# Altium PCB mach PCB.PcbDoc (part 4 of 6) (continued)
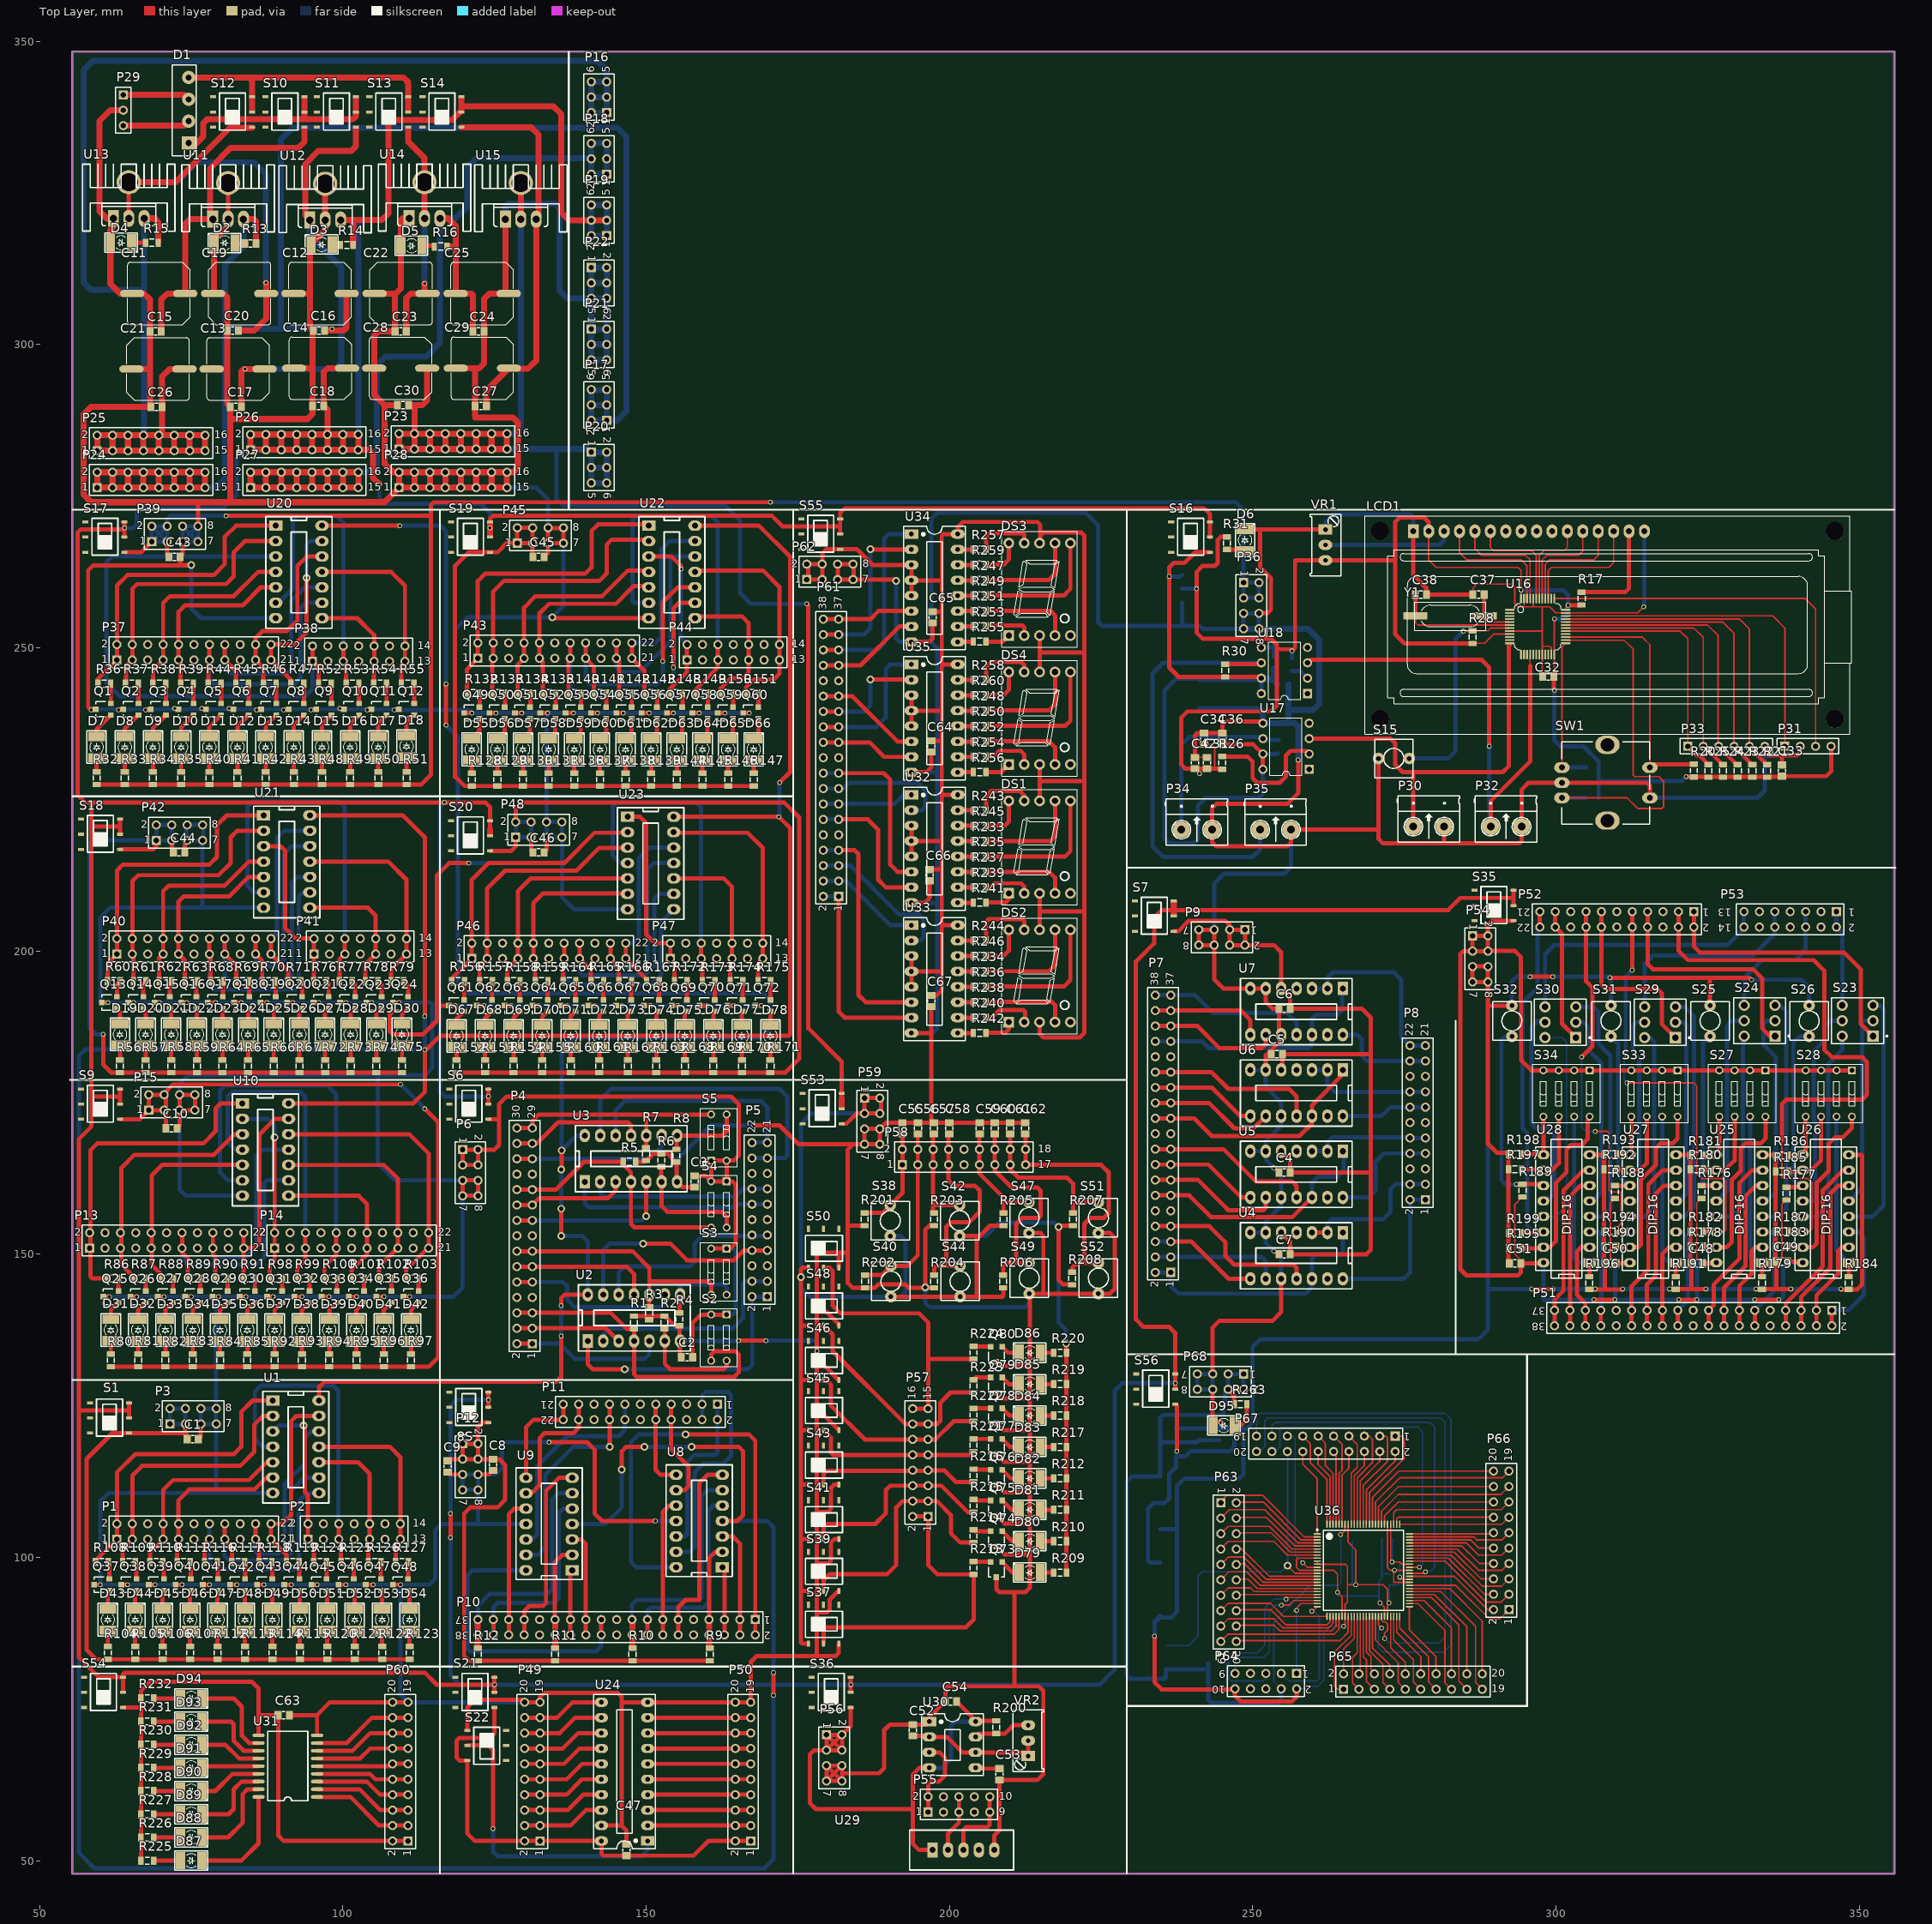
[diagram p0: Top Layer view]
## Nets (pads, with @x,y where several pads share a name; then routed paths per layer and width w, separated by ;. In a path a pad name is that pad's centre, name@x,y a point inside that pad or via, vN(x,y) a via of type N, cw(c..) or ccw(c..) an arc to the next point about the centre after c; other vN are vias at no path point) (continued)
  Top Layer w0.7: D9.2@68.693,235.366 68.693,236.761 Q3.3@70.841,238.909
NetD10_1: D10.1 R35.1 | length 2.3
  Top Layer w0.7: R35.1@73.339,229.55 D10.1@73.339,231.866
NetD10_2: D10.2 Q4.3 | length 4.4
  Top Layer w0.7: D10.2@73.339,235.366 73.339,236.861 Q4.3@75.386,238.909
NetD11_1: D11.1 R40.1 | length 2.3
  Top Layer w0.7: R40.1@77.984,229.55 D11.1@77.984,231.866
NetD11_2: D11.2 Q5.3 | length 4.3
  Top Layer w0.7: D11.2@77.984,235.366 77.984,236.961 Q5.3@79.932,238.909
NetD12_1: D12.1 R41.1 | length 2.3
  Top Layer w0.7: R41.1@82.629,229.55 D12.1@82.629,231.866
NetD12_2: D12.2 Q6.3 | length 4.3
  Top Layer w0.7: D12.2@82.629,235.366 82.629,237.061 Q6.3@84.477,238.909
NetD13_1: D13.1 R42.1 | length 2.3
  Top Layer w0.7: R42.1@87.274,229.55 D13.1@87.274,231.866
NetD13_2: D13.2 Q7.3 | length 4.3
  Top Layer w0.7: D13.2@87.274,235.366 87.274,237.16 Q7.3@89.023,238.909
NetD14_1: D14.1 R43.1 | length 2.3
  Top Layer w0.7: R43.1@91.919,229.55 D14.1@91.919,231.866
NetD14_2: D14.2 Q8.3 | length 4.2
  Top Layer w0.7: D14.2@91.919,235.366 91.919,237.26 Q8.3@93.568,238.909
NetD15_1: D15.1 R48.1 | length 2.3
  Top Layer w0.7: R48.1@96.564,229.55 D15.1@96.564,231.866
NetD15_2: D15.2 Q9.3 | length 4.2
  Top Layer w0.7: D15.2@96.564,235.366 96.564,237.36 Q9.3@98.114,238.909
NetD16_1: D16.1 R49.1 | length 2.3
  Top Layer w0.7: R49.1@101.21,229.55 D16.1@101.21,231.866
NetD16_2: D16.2 Q10.3 | length 4.1
  Top Layer w0.7: D16.2@101.21,235.366 101.21,237.46 Q10.3@102.659,238.909
NetD17_1: D17.1 R50.1 | length 2.3
  Top Layer w0.7: R50.1@105.855,229.55 D17.1@105.855,231.866
NetD17_2: D17.2 Q11.3 | length 4.1
  Top Layer w0.7: D17.2@105.855,235.366 105.855,237.559 Q11.3@107.205,238.909
NetD18_1: D18.1 R51.1 | length 2.5
  Top Layer w0.7: R51.1@110.5,229.55 D18.1@110.5,232
NetD18_2: D18.2 Q12.3 | length 3.9
  Top Layer w0.7: D18.2@110.5,235.5 110.5,237.659 Q12.3@111.75,238.909
NetD19_1: D19.1 R56.1 | length 2.5
  Top Layer w0.7: R56.1@63.25,182.05 D19.1@63.25,184.5
NetD19_2: D19.2 Q13.3 | length 2.8
  Top Layer w0.7: Q13.3@62.75,190.55 63.25,190.05 D19.2@63.25,188
NetD20_1: D20.1 R57.1 | length 2.5
  Top Layer w0.7: R57.1@67.477,182.05 D20.1@67.477,184.5
NetD20_2: D20.2 Q14.3 | length 2.7
  Top Layer w0.7: Q14.3@67.114,190.55 67.477,190.186 D20.2@67.477,188
NetD21_1: D21.1 R58.1 | length 2.5
  Top Layer w0.7: R58.1@71.705,182.05 D21.1@71.705,184.5
NetD21_2: D21.2 Q15.3 | length 2.6
  Top Layer w0.7: Q15.3@71.477,190.55 71.705,190.323 D21.2@71.705,188
NetD22_1: D22.1 R59.1 | length 2.5
  Top Layer w0.7: R59.1@75.932,182.05 D22.1@75.932,184.5
NetD22_2: D22.2 Q16.3 | length 2.6
  Top Layer w0.7: Q16.3@75.841,190.55 75.932,190.459 D22.2@75.932,188
NetD23_1: D23.1 R64.1 | length 2.5
  Top Layer w0.7: R64.1@80.159,182.05 D23.1@80.159,184.5
NetD23_2: D23.2 Q17.3 | length 2.6
  Top Layer w0.7: D23.2@80.159,188 80.159,190.505 Q17.3@80.205,190.55
NetD24_1: D24.1 R65.1 | length 2.5
  Top Layer w0.7: R65.1@84.386,182.05 D24.1@84.386,184.5
NetD24_2: D24.2 Q18.3 | length 2.6
  Top Layer w0.7: D24.2@84.386,188 84.386,190.368 Q18.3@84.568,190.55
NetD25_1: D25.1 R66.1 | length 2.5
  Top Layer w0.7: R66.1@88.614,182.05 D25.1@88.614,184.5
NetD25_2: D25.2 Q19.3 | length 2.7
  Top Layer w0.7: D25.2@88.614,188 88.614,190.232 Q19.3@88.932,190.55
NetD26_1: D26.1 R67.1 | length 2.5
  Top Layer w0.7: R67.1@92.841,182.05 D26.1@92.841,184.5
NetD26_2: D26.2 Q20.3 | length 2.7
  Top Layer w0.7: D26.2@92.841,188 92.841,190.095 Q20.3@93.295,190.55
NetD27_1: D27.1 R72.1 | length 2.5
  Top Layer w0.7: R72.1@97.068,182.05 D27.1@97.068,184.5
NetD27_2: D27.2 Q21.3 | length 2.8
  Top Layer w0.7: D27.2@97.068,188 97.068,189.959 Q21.3@97.659,190.55
NetD28_1: D28.1 R73.1 | length 2.5
  Top Layer w0.7: R73.1@101.295,182.05 D28.1@101.295,184.5
NetD28_2: D28.2 Q22.3 | length 2.9
  Top Layer w0.7: D28.2@101.295,188 101.295,189.823 Q22.3@102.023,190.55
NetD29_1: D29.1 R74.1 | length 2.5
  Top Layer w0.7: R74.1@105.523,182.05 D29.1@105.523,184.5
NetD29_2: D29.2 Q23.3 | length 2.9
  Top Layer w0.7: D29.2@105.523,188 105.523,189.686 Q23.3@106.386,190.55
NetD30_1: D30.1 R75.1 | length 2.5
  Top Layer w0.7: R75.1@109.75,182.05 D30.1@109.75,184.5
NetD30_2: D30.2 Q24.3 | length 3
  Top Layer w0.7: D30.2@109.75,188 109.75,189.55 Q24.3@110.75,190.55
NetD31_1: D31.1 R80.1 | length 2.2
  Top Layer w0.7: R80.1@61.75,133.55 D31.1@61.75,135.75
NetD31_2: D31.2 Q25.3 | length 3.3
  Top Layer w0.7: D31.2@61.75,139.25 61.75,140.8 Q25.3@63,142.05
NetD32_1: D32.1 R81.1 | length 2.2
  Top Layer w0.7: R81.1@66.25,133.55 D32.1@66.25,135.75
NetD32_2: D32.2 Q26.3 | length 3.3
  Top Layer w0.7: D32.2@66.25,139.25 66.25,140.8 Q26.3@67.5,142.05
NetD33_1: D33.1 R82.1 | length 2.2
  Top Layer w0.7: R82.1@70.75,133.55 D33.1@70.75,135.75
NetD33_2: D33.2 Q27.3 | length 3.3
  Top Layer w0.7: D33.2@70.75,139.25 70.75,140.8 Q27.3@72,142.05
NetD34_1: D34.1 R83.1 | length 2.2
  Top Layer w0.7: R83.1@75.25,133.55 D34.1@75.25,135.75
NetD34_2: D34.2 Q28.3 | length 3.3
  Top Layer w0.7: D34.2@75.25,139.25 75.25,140.8 Q28.3@76.5,142.05
NetD35_1: D35.1 R84.1 | length 2.2
  Top Layer w0.7: R84.1@79.75,133.55 D35.1@79.75,135.75
NetD35_2: D35.2 Q29.3 | length 3.3
  Top Layer w0.7: D35.2@79.75,139.25 79.75,140.8 Q29.3@81,142.05
NetD36_1: D36.1 R85.1 | length 2.2
  Top Layer w0.7: R85.1@84.25,133.55 D36.1@84.25,135.75
NetD36_2: D36.2 Q30.3 | length 3.3
  Top Layer w0.7: D36.2@84.25,139.25 84.25,140.8 Q30.3@85.5,142.05
NetD37_1: D37.1 R92.1 | length 2.2
  Top Layer w0.7: R92.1@88.75,133.55 D37.1@88.75,135.75
NetD37_2: D37.2 Q31.3 | length 3.3
  Top Layer w0.7: D37.2@88.75,139.25 88.75,140.8 Q31.3@90,142.05
NetD38_1: D38.1 R93.1 | length 2.2
  Top Layer w0.7: R93.1@93.25,133.55 D38.1@93.25,135.75
NetD38_2: D38.2 Q32.3 | length 3.3
  Top Layer w0.7: D38.2@93.25,139.25 93.25,140.8 Q32.3@94.5,142.05
NetD39_1: D39.1 R94.1 | length 2.2
  Top Layer w0.7: R94.1@97.75,133.55 D39.1@97.75,135.75
NetD39_2: D39.2 Q33.3 | length 3.3
  Top Layer w0.7: D39.2@97.75,139.25 97.75,140.8 Q33.3@99,142.05
NetD40_1: D40.1 R95.1 | length 2.2
  Top Layer w0.7: R95.1@102.25,133.55 D40.1@102.25,135.75
NetD40_2: D40.2 Q34.3 | length 3.3
  Top Layer w0.7: D40.2@102.25,139.25 102.25,140.8 Q34.3@103.5,142.05
NetD41_1: D41.1 R96.1 | length 2.2
  Top Layer w0.7: R96.1@106.75,133.55 D41.1@106.75,135.75
NetD41_2: D41.2 Q35.3 | length 3.3
  Top Layer w0.7: D41.2@106.75,139.25 106.75,140.8 Q35.3@108,142.05
NetD42_1: D42.1 R97.1 | length 2.2
  Top Layer w0.7: R97.1@111.25,133.55 D42.1@111.25,135.75
NetD42_2: D42.2 Q36.3 | length 3.3
  Top Layer w0.7: D42.2@111.25,139.25 111.25,140.8 Q36.3@112.5,142.05
NetD43_1: D43.1 R104.1 | length 2.7
  Top Layer w0.7: R104.1@61.25,85.3 D43.1@61.25,88
NetD43_2: D43.2 Q37.3 | length 3.2
  Top Layer w0.7: D43.2@61.25,91.5 61.25,94.3 Q37.3@61.5,94.55
NetD44_1: D44.1 R105.1 | length 2.7
  Top Layer w0.7: R105.1@65.773,85.3 D44.1@65.773,88
NetD44_2: D44.2 Q38.3 | length 3.1
  Top Layer w0.7: D44.2@65.773,91.5 65.773,94.345 Q38.3@65.977,94.55
NetD45_1: D45.1 R106.1 | length 2.7
  Top Layer w0.7: R106.1@70.295,85.3 D45.1@70.295,88
NetD45_2: D45.2 Q39.3 | length 3.1
  Top Layer w0.7: D45.2@70.295,91.5 70.295,94.345 Q39.3@70.5,94.55
NetD46_1: D46.1 R107.1 | length 2.7
  Top Layer w0.7: R107.1@74.818,85.3 D46.1@74.818,88
NetD46_2: D46.2 Q40.3 | length 3.1
  Top Layer w0.7: D46.2@74.818,91.5 74.818,94.436 Q40.3@74.932,94.55
NetD47_1: D47.1 R112.1 | length 2.7
  Top Layer w0.7: R112.1@79.341,85.3 D47.1@79.341,88
NetD47_2: D47.2 Q41.3 | length 3.1
  Top Layer w0.7: D47.2@79.341,91.5 79.341,94.482 Q41.3@79.409,94.55
NetD48_1: D48.1 R113.1 | length 2.7
  Top Layer w0.7: R113.1@83.864,85.3 D48.1@83.864,88
NetD48_2: D48.2 Q42.3 | length 3.1
  Top Layer w0.7: D48.2@83.864,91.5 83.864,94.527 Q42.3@83.886,94.55
NetD49_1: D49.1 R114.1 | length 2.7
  Top Layer w0.7: R114.1@88.386,85.3 D49.1@88.386,88
NetD49_2: D49.2 Q43.3 | length 3.1
  Top Layer w0.7: Q43.3@88.364,94.55 88.386,94.527 D49.2@88.386,91.5
NetD50_1: D50.1 R115.1 | length 2.7
  Top Layer w0.7: R115.1@92.909,85.3 D50.1@92.909,88
NetD50_2: D50.2 Q44.3 | length 3.1
  Top Layer w0.7: Q44.3@92.841,94.55 92.909,94.482 D50.2@92.909,91.5
NetD51_1: D51.1 R120.1 | length 2.7
  Top Layer w0.7: R120.1@97.432,85.3 D51.1@97.432,88
NetD51_2: D51.2 Q45.3 | length 3.1
  Top Layer w0.7: Q45.3@97.318,94.55 97.432,94.436 D51.2@97.432,91.5
NetD52_1: D52.1 R121.1 | length 2.7
  Top Layer w0.7: R121.1@101.955,85.3 D52.1@101.955,88
NetD52_2: D52.2 Q46.3 | length 3.1
  Top Layer w0.7: Q46.3@101.795,94.55 101.955,94.391 D52.2@101.955,91.5
NetD53_1: D53.1 R122.1 | length 2.7
  Top Layer w0.7: R122.1@106.477,85.3 D53.1@106.477,88
NetD53_2: D53.2 Q47.3 | length 3.1
  Top Layer w0.7: Q47.3@106.273,94.55 106.477,94.345 D53.2@106.477,91.5
NetD54_1: D54.1 R123.1 | length 2.7
  Top Layer w0.7: R123.1@111,85.3 D54.1@111,88
NetD54_2: D54.2 Q48.3 | length 3.2
  Top Layer w0.7: Q48.3@110.75,94.55 111,94.3 D54.2@111,91.5
NetD55_1: D55.1 R128.1 | length 2.2
  Top Layer w0.7: R128.1@121.25,229.3 D55.1@121.25,231.5
NetD55_2: D55.2 Q49.3 | length 3.8
  Top Layer w0.7: D55.2@121.25,235 122.5,236.25 Q49.3@122.5,238.3
NetD56_1: D56.1 R129.1 | length 2.2
  Top Layer w0.7: R129.1@125.477,229.3 D56.1@125.477,231.5
NetD56_2: D56.2 Q50.3 | length 3.8
  Top Layer w0.7: D56.2@125.477,235 126.682,236.205 Q50.3@126.682,238.3
NetD57_1: D57.1 R130.1 | length 2.2
  Top Layer w0.7: R130.1@129.705,229.3 D57.1@129.705,231.5
NetD57_2: D57.2 Q51.3 | length 3.8
  Top Layer w0.7: D57.2@129.705,235 130.864,236.159 Q51.3@130.864,238.3
NetD58_1: D58.1 R131.1 | length 2.2
  Top Layer w0.7: R131.1@133.932,229.3 D58.1@133.932,231.5
NetD58_2: D58.2 Q52.3 | length 3.8
  Top Layer w0.7: D58.2@133.932,235 135.045,236.114 Q52.3@135.045,238.3
NetD59_1: D59.1 R136.1 | length 2.2
  Top Layer w0.7: R136.1@138.159,229.3 D59.1@138.159,231.5
NetD59_2: D59.2 Q53.3 | length 3.7
  Top Layer w0.7: D59.2@138.159,235 139.227,236.068 Q53.3@139.227,238.3
NetD60_1: D60.1 R137.1 | length 2.2
  Top Layer w0.7: R137.1@142.386,229.3 D60.1@142.386,231.5
NetD60_2: D60.2 Q54.3 | length 3.7
  Top Layer w0.7: D60.2@142.386,235 143.409,236.023 Q54.3@143.409,238.3
NetD61_1: D61.1 R138.1 | length 2.2
  Top Layer w0.7: R138.1@146.614,229.3 D61.1@146.614,231.5
NetD61_2: D61.2 Q55.3 | length 3.7
  Top Layer w0.7: D61.2@146.614,235 147.591,235.977 Q55.3@147.591,238.3
NetD62_1: D62.1 R139.1 | length 2.2
  Top Layer w0.7: R139.1@150.841,229.3 D62.1@150.841,231.5
NetD62_2: D62.2 Q56.3 | length 3.7
  Top Layer w0.7: D62.2@150.841,235 151.773,235.932 Q56.3@151.773,238.3
NetD63_1: D63.1 R144.1 | length 2.2
  Top Layer w0.7: R144.1@155.068,229.3 D63.1@155.068,231.5
NetD63_2: D63.2 Q57.3 | length 3.7
  Top Layer w0.7: D63.2@155.068,235 155.955,235.886 Q57.3@155.955,238.3
NetD64_1: D64.1 R145.1 | length 2.2
  Top Layer w0.7: R145.1@159.295,229.3 D64.1@159.295,231.5
NetD64_2: D64.2 Q58.3 | length 3.6
  Top Layer w0.7: D64.2@159.295,235 160.136,235.841 Q58.3@160.136,238.3
NetD65_1: D65.1 R146.1 | length 2.2
  Top Layer w0.7: R146.1@163.523,229.3 D65.1@163.523,231.5
NetD65_2: D65.2 Q59.3 | length 3.6
  Top Layer w0.7: D65.2@163.523,235 164.318,235.795 Q59.3@164.318,238.3
NetD66_1: D66.1 R147.1 | length 2.2
  Top Layer w0.7: R147.1@167.75,229.3 D66.1@167.75,231.5
NetD66_2: D66.2 Q60.3 | length 3.6
  Top Layer w0.7: D66.2@167.75,235 168.5,235.75 Q60.3@168.5,238.3
NetD67_1: D67.1 R152.1 | length 2.2
  Top Layer w0.7: R152.1@118.75,182.05 D67.1@118.75,184.25
NetD67_2: D67.2 Q61.3 | length 2.8
  Top Layer w0.7: D67.2@118.75,187.75 118.75,188.8 Q61.3@120,190.05
NetD68_1: D68.1 R153.1 | length 2.2
  Top Layer w0.7: R153.1@123.455,182.05 D68.1@123.455,184.25
NetD68_2: D68.2 Q62.3 | length 2.8
  Top Layer w0.7: D68.2@123.455,187.75 123.455,188.914 Q62.3@124.591,190.05
NetD69_1: D69.1 R154.1 | length 2.2
  Top Layer w0.7: R154.1@128.159,182.05 D69.1@128.159,184.25
NetD69_2: D69.2 Q63.3 | length 2.7
  Top Layer w0.7: D69.2@128.159,187.75 128.159,189.027 Q63.3@129.182,190.05
NetD70_1: D70.1 R155.1 | length 2.2
  Top Layer w0.7: R155.1@132.864,182.05 D70.1@132.864,184.25
NetD70_2: D70.2 Q64.3 | length 2.7
  Top Layer w0.7: D70.2@132.864,187.75 132.864,189.141 Q64.3@133.773,190.05
NetD71_1: D71.1 R160.1 | length 2.2
  Top Layer w0.7: R160.1@137.568,182.05 D71.1@137.568,184.25
NetD71_2: D71.2 Q65.3 | length 2.6
  Top Layer w0.7: D71.2@137.568,187.75 137.568,189.255 Q65.3@138.364,190.05
NetD72_1: D72.1 R161.1 | length 2.2
  Top Layer w0.7: R161.1@142.273,182.05 D72.1@142.273,184.25
NetD72_2: D72.2 Q66.3 | length 2.6
  Top Layer w0.7: D72.2@142.273,187.75 142.273,189.368 Q66.3@142.955,190.05
NetD73_1: D73.1 R162.1 | length 2.2
  Top Layer w0.7: R162.1@146.977,182.05 D73.1@146.977,184.25
NetD73_2: D73.2 Q67.3 | length 2.5
  Top Layer w0.7: D73.2@146.977,187.75 146.977,189.482 Q67.3@147.545,190.05
NetD74_1: D74.1 R163.1 | length 2.2
  Top Layer w0.7: R163.1@151.682,182.05 D74.1@151.682,184.25
NetD74_2: D74.2 Q68.3 | length 2.5
  Top Layer w0.7: D74.2@151.682,187.75 151.682,189.595 Q68.3@152.136,190.05
NetD75_1: D75.1 R168.1 | length 2.2
  Top Layer w0.7: R168.1@156.386,182.05 D75.1@156.386,184.25
NetD75_2: D75.2 Q69.3 | length 2.4
  Top Layer w0.7: D75.2@156.386,187.75 156.386,189.709 Q69.3@156.727,190.05
NetD76_1: D76.1 R169.1 | length 2.2
  Top Layer w0.7: R169.1@161.091,182.05 D76.1@161.091,184.25
NetD76_2: D76.2 Q70.3 | length 2.4
  Top Layer w0.7: D76.2@161.091,187.75 161.091,189.823 Q70.3@161.318,190.05
NetD77_1: D77.1 R170.1 | length 2.2
  Top Layer w0.7: R170.1@165.795,182.05 D77.1@165.795,184.25
NetD77_2: D77.2 Q71.3 | length 2.3
  Top Layer w0.7: D77.2@165.795,187.75 165.795,189.936 Q71.3@165.909,190.05
NetD78_1: D78.1 R171.1 | length 2.2
  Top Layer w0.7: R171.1@170.5,182.05 D78.1@170.5,184.25
NetD78_2: D78.2 Q72.3 | length 2.3
  Top Layer w0.7: D78.2@170.5,187.75 Q72.3@170.5,190.05
NetD79_1: D79.1 R209.1 | length 2.2
  Top Layer w0.7: D79.1@215,97.5 R209.1@217.2,97.5
NetD79_2: D79.2 Q73.3 | length 3.5
  Top Layer w0.7: Q73.3@208.7,99.25 210.45,97.5 D79.2@211.5,97.5
NetD80_1: D80.1 R210.1 | length 2.2
  Top Layer w0.7: D80.1@215,102.679 R210.1@217.2,102.679
NetD80_2: D80.2 Q74.3 | length 3.5
  Top Layer w0.7: Q74.3@208.7,104.321 210.343,102.679 D80.2@211.5,102.679
NetD81_1: D81.1 R211.1 | length 2.2
  Top Layer w0.7: D81.1@215,107.857 R211.1@217.2,107.857
NetD81_2: D81.2 Q75.3 | length 3.4
  Top Layer w0.7: Q75.3@208.7,109.393 210.236,107.857 D81.2@211.5,107.857
NetD82_1: D82.1 R212.1 | length 2.2
  Top Layer w0.7: D82.1@215,113.036 R212.1@217.2,113.036
NetD82_2: D82.2 Q76.3 | length 3.4
  Top Layer w0.7: Q76.3@208.7,114.464 210.129,113.036 D82.2@211.5,113.036
NetD83_1: D83.1 R217.1 | length 2.2
  Top Layer w0.7: D83.1@215,118.214 R217.1@217.2,118.214
NetD83_2: D83.2 Q77.3 | length 3.3
  Top Layer w0.7: Q77.3@208.7,119.536 210.021,118.214 D83.2@211.5,118.214
NetD84_1: D84.1 R218.1 | length 2.2
  Top Layer w0.7: D84.1@215,123.393 R218.1@217.2,123.393
NetD84_2: D84.2 Q78.3 | length 3.3
  Top Layer w0.7: Q78.3@208.7,124.607 209.914,123.393 D84.2@211.5,123.393
NetD85_1: D85.1 R219.1 | length 2.2
  Top Layer w0.7: D85.1@215,128.571 R219.1@217.2,128.571
NetD85_2: D85.2 Q79.3 | length 3.3
  Top Layer w0.7: Q79.3@208.7,129.679 209.807,128.571 D85.2@211.5,128.571
NetD86_1: D86.1 R220.1 | length 2.2
  Top Layer w0.7: D86.1@215,133.75 R220.1@217.2,133.75
NetD86_2: D86.2 Q80.3 | length 3.2
  Top Layer w0.7: Q80.3@208.7,134.75 209.7,133.75 D86.2@211.5,133.75
NetD87_1: D87.1 R225.1 | length 4.5
  Top Layer w0.7: R225.1@68.8,50 D87.1@73.25,50
NetD87_2: D87.2 U31.18 | length 17.9
  Top Layer w0.7: D87.2@76.75,50 83.25,50 86.098,52.848 U31.18@86.098,60.25
NetD88_1: D88.1 R226.1 | length 4.5
  Top Layer w0.7: R226.1@68.8,53.821 D88.1@73.25,53.821
NetD88_2: D88.2 U31.17 | length 15.4
  Top Layer w0.7: D88.2@76.75,53.821 81.071,53.821 83.5,56.25 83.5,61 84.27,61.77 U31.17@86.098,61.77
NetD89_1: D89.1 R227.1 | length 4.5
  Top Layer w0.7: R227.1@68.8,57.643 D89.1@73.25,57.643
NetD89_2: D89.2 U31.16 | length 13.5
  Top Layer w0.7: D89.2@76.75,57.643 81.143,57.643 82,58.5 82,61.75 83.29,63.04 U31.16@86.098,63.04
NetD90_1: D90.1 R228.1 | length 4.5
  Top Layer w0.7: R228.1@68.8,61.464 D90.1@73.25,61.464
NetD90_2: D90.2 U31.15 | length 10.5
  Top Layer w0.7: D90.2@76.75,61.464 78.964,61.464 81.81,64.31 U31.15@86.098,64.31
NetD91_1: D91.1 R229.1 | length 4.5
  Top Layer w0.7: R229.1@68.8,65.286 D91.1@73.25,65.286
NetD91_2: D91.2 U31.14 | length 9.5
  Top Layer w0.7: D91.2@76.75,65.286 77.044,65.58 U31.14@86.098,65.58
NetD92_1: D92.1 R230.1 | length 4.5
  Top Layer w0.7: R230.1@68.8,69.107 D92.1@73.25,69.107
NetD92_2: D92.2 U31.13 | length 10.3
  Top Layer w0.7: D92.2@76.75,69.107 80.643,69.107 82.9,66.85 U31.13@86.098,66.85
NetD93_1: D93.1 R231.1 | length 4.5
  Top Layer w0.7: R231.1@68.8,72.929 D93.1@73.25,72.929
NetD93_2: D93.2 U31.12 | length 13
  Top Layer w0.7: D93.2@76.75,72.929 81.571,72.929 82,72.5 82,69.75 83.63,68.12 U31.12@86.098,68.12
NetD94_1: D94.1 R232.1 | length 4.5
  Top Layer w0.7: R232.1@68.8,76.75 D94.1@73.25,76.75
NetD94_2: D94.2 U31.11 | length 15.2
  Top Layer w0.7: D94.2@76.75,76.75 82,76.75 83.354,75.396 83.354,70.604 84.568,69.39 U31.11@86.098,69.39
NetD95_1: D95.1 R263.2 | length 4.9
  Top Layer w0.7: D95.1@247,121.75 248,121.75 249.05,122.8 R263.2@249.05,125.25
NetDS1_1: DS1.1 R241.2 | length 4.9
  Top Layer w0.7: R241.2@206.05,208 209.25,208 209.797,208.547 DS1.1@209.797,209.515
NetDS1_2: DS1.2 R239.2 | length 7.9
  Top Layer w0.7: R239.2@206.05,210.53 206.78,210.53 207.404,211.154 211.846,211.154 212.337,210.663 DS1.2@212.337,209.515
NetDS1_4: DS1.4 R237.2 | length 14.3
  Top Layer w0.7: R237.2@206.05,213.06 216.44,213.06 217.417,212.083 DS1.4@217.417,209.515
NetDS1_6: DS1.6 R235.2 | length 22.6
  Top Layer w0.7: R235.2@206.05,215.59 219.09,215.59 219.957,216.457 DS1.6@219.957,224.755
NetDS1_7: DS1.7 R233.2 | length 17.5
  Top Layer w0.7: R233.2@206.05,218.12 216.62,218.12 217.417,218.917 DS1.7@217.417,224.755
NetDS1_9: DS1.9 R243.2 | length 10.2
  Top Layer w0.7: R243.2@206.05,223.18 206.05,225.55 206.894,226.394 211.606,226.394 212.337,225.663 DS1.9@212.337,224.755
NetDS1_10: DS1.10 R245.2 | length 7.5
  Top Layer w0.7: R245.2@206.05,220.65 209.15,220.65 209.797,221.297 DS1.10@209.797,224.755
NetDS2_1: DS2.1 R242.2 | length 5.2
  Top Layer w0.7: R242.2@206.05,186.5 209.25,186.5 209.797,187.047 DS2.1@209.797,188.265
NetDS2_2: DS2.2 R240.2 | length 8.9
  Top Layer w0.7: R240.2@206.05,189.042 207.042,189.042 208.25,190.25 212.25,190.25 212.5,190 212.5,188.428 DS2.2@212.337,188.265
NetDS2_4: DS2.4 R238.2 | length 14.4
  Top Layer w0.7: R238.2@206.05,191.583 206.067,191.6 216.9,191.6 217.417,191.083 DS2.4@217.417,188.265
NetDS2_6: DS2.6 R236.2 | length 22.7
  Top Layer w0.7: R236.2@206.05,194.125 218.875,194.125 219.957,195.207 DS2.6@219.957,203.505
NetDS2_7: DS2.7 R234.2 | length 17.6
  Top Layer w0.7: R234.2@206.05,196.667 216.417,196.667 217.417,197.667 DS2.7@217.417,203.505
NetDS2_9: DS2.9 R244.2 | length 11.1
  Top Layer w0.7: R244.2@206.05,201.75 206.05,204.8 206.5,205.25 212,205.25 212.337,204.913 DS2.9@212.337,203.505
NetDS2_10: DS2.10 R246.2 | length 7.6
  Top Layer w0.7: R246.2@206.05,199.208 208.958,199.208 209.797,200.047 DS2.10@209.797,203.505
NetDS3_1: DS3.1 R255.2 | length 4.2
  Top Layer w0.7: R255.2@206.05,251 208.782,251 DS3.1@209.797,252.015
NetDS3_2: DS3.2 R253.2 | length 7.8
  Top Layer w0.7: R253.2@206.05,253.542 206.162,253.654 212.096,253.654 212.337,253.413 DS3.2@212.337,252.015
NetDS3_4: DS3.4 R251.2 | length 15
  Top Layer w0.7: R251.2@206.05,256.083 216.667,256.083 217.417,255.333 DS3.4@217.417,252.015
NetDS3_6: DS3.6 R249.2 | length 21.9
  Top Layer w0.7: R249.2@206.05,258.625 218.875,258.625 219.957,259.707 DS3.6@219.957,267.255
NetDS3_7: DS3.7 R247.2 | length 16.9
  Top Layer w0.7: R247.2@206.05,261.167 216.417,261.167 217.417,262.167 DS3.7@217.417,267.255
NetDS3_9: DS3.9 R257.2 | length 10.1
  Top Layer w0.7: R257.2@206.05,266.25 206.05,268.3 206.644,268.894 212.106,268.894 212.337,268.663 DS3.9@212.337,267.255
NetDS3_10: DS3.10 R259.2 | length 6.8
  Top Layer w0.7: R259.2@206.05,263.708 208.958,263.708 209.797,264.547 DS3.10@209.797,267.255
NetDS4_1: DS4.1 R256.2 | length 4.3
  Top Layer w0.7: R256.2@206.05,229.5 208.532,229.5 DS4.1@209.797,230.765
NetDS4_2: DS4.2 R254.2 | length 8.6
  Top Layer w0.7: R254.2@206.05,232.042 207.25,232.042 208.208,233 211.75,233 212.337,232.413 DS4.2@212.337,230.765
NetDS4_4: DS4.4 R252.2 | length 14.6
  Top Layer w0.7: R252.2@206.05,234.583 216.417,234.583 217.417,233.583 DS4.4@217.417,230.765
NetDS4_6: DS4.6 R250.2 | length 22.3
  Top Layer w0.7: R250.2@206.05,237.125 219.125,237.125 219.957,237.957 DS4.6@219.957,246.005
NetDS4_7: DS4.7 R248.2 | length 17.1
  Top Layer w0.7: R248.2@206.05,239.667 216.417,239.667 217.417,240.667 DS4.7@217.417,246.005
NetDS4_9: DS4.9 R258.2 | length 10
  Top Layer w0.7: R258.2@206.05,244.75 206.05,246.8 206.894,247.644 211.856,247.644 212.337,247.163 DS4.9@212.337,246.005
NetDS4_10: DS4.10 R260.2 | length 7.1
  Top Layer w0.7: R260.2@206.05,242.208 208.958,242.208 209.797,243.047 DS4.10@209.797,246.005
NetLCD1_3: LCD1.3 VR1.2 | length 21.4
  Bottom Layer w0.7: VR1.2@262,266.96 280.79,266.96 281.58,267.75 LCD1.3@281.58,269.22
NetLCD1_15: LCD1.15 R17.2 | length 17.5
  Top Layer w0.7: R17.2@304.25,259.166 311.416,259.166 312.06,259.81 LCD1.15@312.06,269.22
NetQ1_1: Q1.1 R36.1 | length 3.3
  Top Layer w0.7: R36.1@61.703,244.066 61.75,244.019 Q1.1@61.75,240.809
NetQ2_1: Q2.1 R37.1 | length 3.3
  Top Layer w0.7: R37.1@66.252,244.066 66.295,244.022 Q2.1@66.295,240.809
NetQ3_1: Q3.1 R38.1 | length 3.3
  Top Layer w0.7: R38.1@70.801,244.066 70.841,244.026 Q3.1@70.841,240.809
NetQ4_1: Q4.1 R39.1 | length 3.3
  Top Layer w0.7: R39.1@75.35,244.066 75.386,244.029 Q4.1@75.386,240.809
NetQ5_1: Q5.1 R44.1 | length 3.3
  Top Layer w0.7: R44.1@79.899,244.066 79.932,244.033 Q5.1@79.932,240.809
NetQ6_1: Q6.1 R45.1 | length 3.3
  Top Layer w0.7: R45.1@84.448,244.066 84.477,244.036 Q6.1@84.477,240.809
NetQ7_1: Q7.1 R46.1 | length 3.3
  Top Layer w0.7: R46.1@88.996,244.066 89.023,244.04 Q7.1@89.023,240.809
NetQ8_1: Q8.1 R47.1 | length 3.3
  Top Layer w0.7: R47.1@93.545,244.066 93.568,244.043 Q8.1@93.568,240.809
NetQ9_1: Q9.1 R52.1 | length 3.3
  Top Layer w0.7: R52.1@98.094,244.066 98.114,244.047 Q9.1@98.114,240.809
NetQ10_1: Q10.1 R53.1 | length 3.3
  Top Layer w0.7: R53.1@102.643,244.066 102.659,244.05 Q10.1@102.659,240.809
NetQ11_1: Q11.1 R54.1 | length 3.3
  Top Layer w0.7: R54.1@107.192,244.066 107.205,244.054 Q11.1@107.205,240.809
NetQ12_1: Q12.1 R55.1 | length 3.3
  Top Layer w0.7: R55.1@111.741,244.066 111.75,244.057 Q12.1@111.75,240.809
NetQ13_1: Q13.1 R60.1 | length 2.8
  Top Layer w0.7: Q13.1@62.75,192.45 62.75,194.45 R60.1@63.3,195
NetQ14_1: Q14.1 R61.1 | length 2.7
  Top Layer w0.7: Q14.1@67.114,192.45 67.114,194.564 R61.1@67.55,195
NetQ15_1: Q15.1 R62.1 | length 2.7
  Top Layer w0.7: Q15.1@71.477,192.45 71.477,194.677 R62.1@71.8,195
NetQ16_1: Q16.1 R63.1 | length 2.6
  Top Layer w0.7: Q16.1@75.841,192.45 75.841,194.791 R63.1@76.05,195
NetQ17_1: Q17.1 R68.1 | length 2.6
  Top Layer w0.7: Q17.1@80.205,192.45 80.205,194.905 R68.1@80.3,195
NetQ18_1: Q18.1 R69.1 | length 2.6
  Top Layer w0.7: R69.1@84.55,195 84.568,194.982 Q18.1@84.568,192.45
NetQ19_1: Q19.1 R70.1 | length 2.6
  Top Layer w0.7: R70.1@88.8,195 88.932,194.868 Q19.1@88.932,192.45
NetQ20_1: Q20.1 R71.1 | length 2.7
  Top Layer w0.7: R71.1@93.05,195 93.295,194.755 Q20.1@93.295,192.45
NetQ21_1: Q21.1 R76.1 | length 2.7
  Top Layer w0.7: R76.1@97.3,195 97.659,194.641 Q21.1@97.659,192.45
NetQ22_1: Q22.1 R77.1 | length 2.7
  Top Layer w0.7: R77.1@101.55,195 102.023,194.527 Q22.1@102.023,192.45
NetQ23_1: Q23.1 R78.1 | length 2.8
  Top Layer w0.7: R78.1@105.8,195 106.386,194.414 Q23.1@106.386,192.45
NetQ24_1: Q24.1 R79.1 | length 2.8
  Top Layer w0.7: R79.1@110.05,195 110.75,194.3 Q24.1@110.75,192.45
NetQ25_1: Q25.1 R86.1 | length 2.1
  Top Layer w0.7: Q25.1@63,143.95 63,145.95 R86.1@63.05,146
NetQ26_1: Q26.1 R87.1 | length 2.1
  Top Layer w0.7: Q26.1@67.5,143.95 67.5,145.95 R87.1@67.55,146
NetQ27_1: Q27.1 R88.1 | length 2.1
  Top Layer w0.7: Q27.1@72,143.95 72,145.95 R88.1@72.05,146
NetQ28_1: Q28.1 R89.1 | length 2.1
  Top Layer w0.7: Q28.1@76.5,143.95 76.5,145.95 R89.1@76.55,146
NetQ29_1: Q29.1 R90.1 | length 2.1
  Top Layer w0.7: Q29.1@81,143.95 81,145.95 R90.1@81.05,146
NetQ30_1: Q30.1 R91.1 | length 2.1
  Top Layer w0.7: Q30.1@85.5,143.95 85.5,145.95 R91.1@85.55,146
NetQ31_1: Q31.1 R98.1 | length 2.1
  Top Layer w0.7: Q31.1@90,143.95 90,145.95 R98.1@90.05,146
NetQ32_1: Q32.1 R99.1 | length 2.1
  Top Layer w0.7: Q32.1@94.5,143.95 94.5,145.95 R99.1@94.55,146
NetQ33_1: Q33.1 R100.1 | length 2.1
  Top Layer w0.7: Q33.1@99,143.95 99,145.95 R100.1@99.05,146
NetQ34_1: Q34.1 R101.1 | length 2.1
  Top Layer w0.7: Q34.1@103.5,143.95 103.5,145.95 R101.1@103.55,146
NetQ35_1: Q35.1 R102.1 | length 2.1
  Top Layer w0.7: Q35.1@108,143.95 108,145.95 R102.1@108.05,146
NetQ36_1: Q36.1 R103.1 | length 2.1
  Top Layer w0.7: Q36.1@112.5,143.95 112.5,145.95 R103.1@112.55,146
NetQ37_1: Q37.1 R108.1 | length 2.9
  Top Layer w0.7: R108.1@61.3,99.25 61.5,99.05 Q37.1@61.5,96.45
NetQ38_1: Q38.1 R109.1 | length 2.9
  Top Layer w0.7: R109.1@65.8,99.25 65.977,99.073 Q38.1@65.977,96.45
NetQ39_1: Q39.1 R110.1 | length 2.9
  Top Layer w0.7: R110.1@70.3,99.25 70.5,99.05 Q39.1@70.5,96.45
NetQ40_1: Q40.1 R111.1 | length 2.9
  Top Layer w0.7: R111.1@74.8,99.25 74.932,99.118 Q40.1@74.932,96.45
NetQ41_1: Q41.1 R116.1 | length 2.8
  Top Layer w0.7: R116.1@79.3,99.25 79.409,99.141 Q41.1@79.409,96.45
NetQ42_1: Q42.1 R117.1 | length 2.8
  Top Layer w0.7: R117.1@83.8,99.25 83.886,99.164 Q42.1@83.886,96.45
NetQ43_1: Q43.1 R118.1 | length 2.8
  Top Layer w0.7: R118.1@88.3,99.25 88.364,99.186 Q43.1@88.364,96.45
NetQ44_1: Q44.1 R119.1 | length 2.8
  Top Layer w0.7: R119.1@92.8,99.25 92.841,99.209 Q44.1@92.841,96.45
NetQ45_1: Q45.1 R124.1 | length 2.8
  Top Layer w0.7: R124.1@97.3,99.25 97.318,99.232 Q45.1@97.318,96.45
NetQ46_1: Q46.1 R125.1 | length 2.8
  Top Layer w0.7: Q46.1@101.795,96.45 101.795,99.245 R125.1@101.8,99.25
NetQ47_1: Q47.1 R126.1 | length 2.8
  Top Layer w0.7: Q47.1@106.273,96.45 106.273,99.223 R126.1@106.3,99.25
NetQ48_1: Q48.1 R127.1 | length 2.8
  Top Layer w0.7: Q48.1@110.75,96.45 110.75,99.2 R127.1@110.8,99.25
NetQ49_1: Q49.1 R132.1 | length 2.3
  Top Layer w0.7: Q49.1@122.5,240.2 122.55,240.25 R132.1@122.55,242.5
NetQ50_1: Q50.1 R133.1 | length 2.3
  Top Layer w0.7: Q50.1@126.682,240.2 126.732,240.25 R133.1@126.732,242.5
NetQ51_1: Q51.1 R134.1 | length 2.3
  Top Layer w0.7: Q51.1@130.864,240.2 130.914,240.25 R134.1@130.914,242.5
NetQ52_1: Q52.1 R135.1 | length 2.3
  Top Layer w0.7: Q52.1@135.045,240.2 135.095,240.25 R135.1@135.095,242.5
NetQ53_1: Q53.1 R140.1 | length 2.3
  Top Layer w0.7: Q53.1@139.227,240.2 139.277,240.25 R140.1@139.277,242.5
NetQ54_1: Q54.1 R141.1 | length 2.3
  Top Layer w0.7: Q54.1@143.409,240.2 143.459,240.25 R141.1@143.459,242.5
NetQ55_1: Q55.1 R142.1 | length 2.3
  Top Layer w0.7: Q55.1@147.591,240.2 147.641,240.25 R142.1@147.641,242.5
NetQ56_1: Q56.1 R143.1 | length 2.3
  Top Layer w0.7: Q56.1@151.773,240.2 151.823,240.25 R143.1@151.823,242.5
NetQ57_1: Q57.1 R148.1 | length 2.3
  Top Layer w0.7: Q57.1@155.955,240.2 156.005,240.25 R148.1@156.005,242.5
NetQ58_1: Q58.1 R149.1 | length 2.3
  Top Layer w0.7: Q58.1@160.136,240.2 160.186,240.25 R149.1@160.186,242.5
NetQ59_1: Q59.1 R150.1 | length 2.3
  Top Layer w0.7: Q59.1@164.318,240.2 164.368,240.25 R150.1@164.368,242.5
NetQ60_1: Q60.1 R151.1 | length 2.3
  Top Layer w0.7: Q60.1@168.5,240.2 168.55,240.25 R151.1@168.55,242.5
NetQ61_1: Q61.1 R156.1 | length 3.1
  Top Layer w0.7: Q61.1@120,191.95 120,194.95 R156.1@120.05,195
NetQ62_1: Q62.1 R157.1 | length 3.1
  Top Layer w0.7: Q62.1@124.591,191.95 124.591,194.95 R157.1@124.641,195
NetQ63_1: Q63.1 R158.1 | length 3.1
  Top Layer w0.7: Q63.1@129.182,191.95 129.182,194.95 R158.1@129.232,195
NetQ64_1: Q64.1 R159.1 | length 3.1
  Top Layer w0.7: Q64.1@133.773,191.95 133.773,194.95 R159.1@133.823,195